# Altium PCB BLDC_v3.PcbDoc (part 1 of 2) (continued)
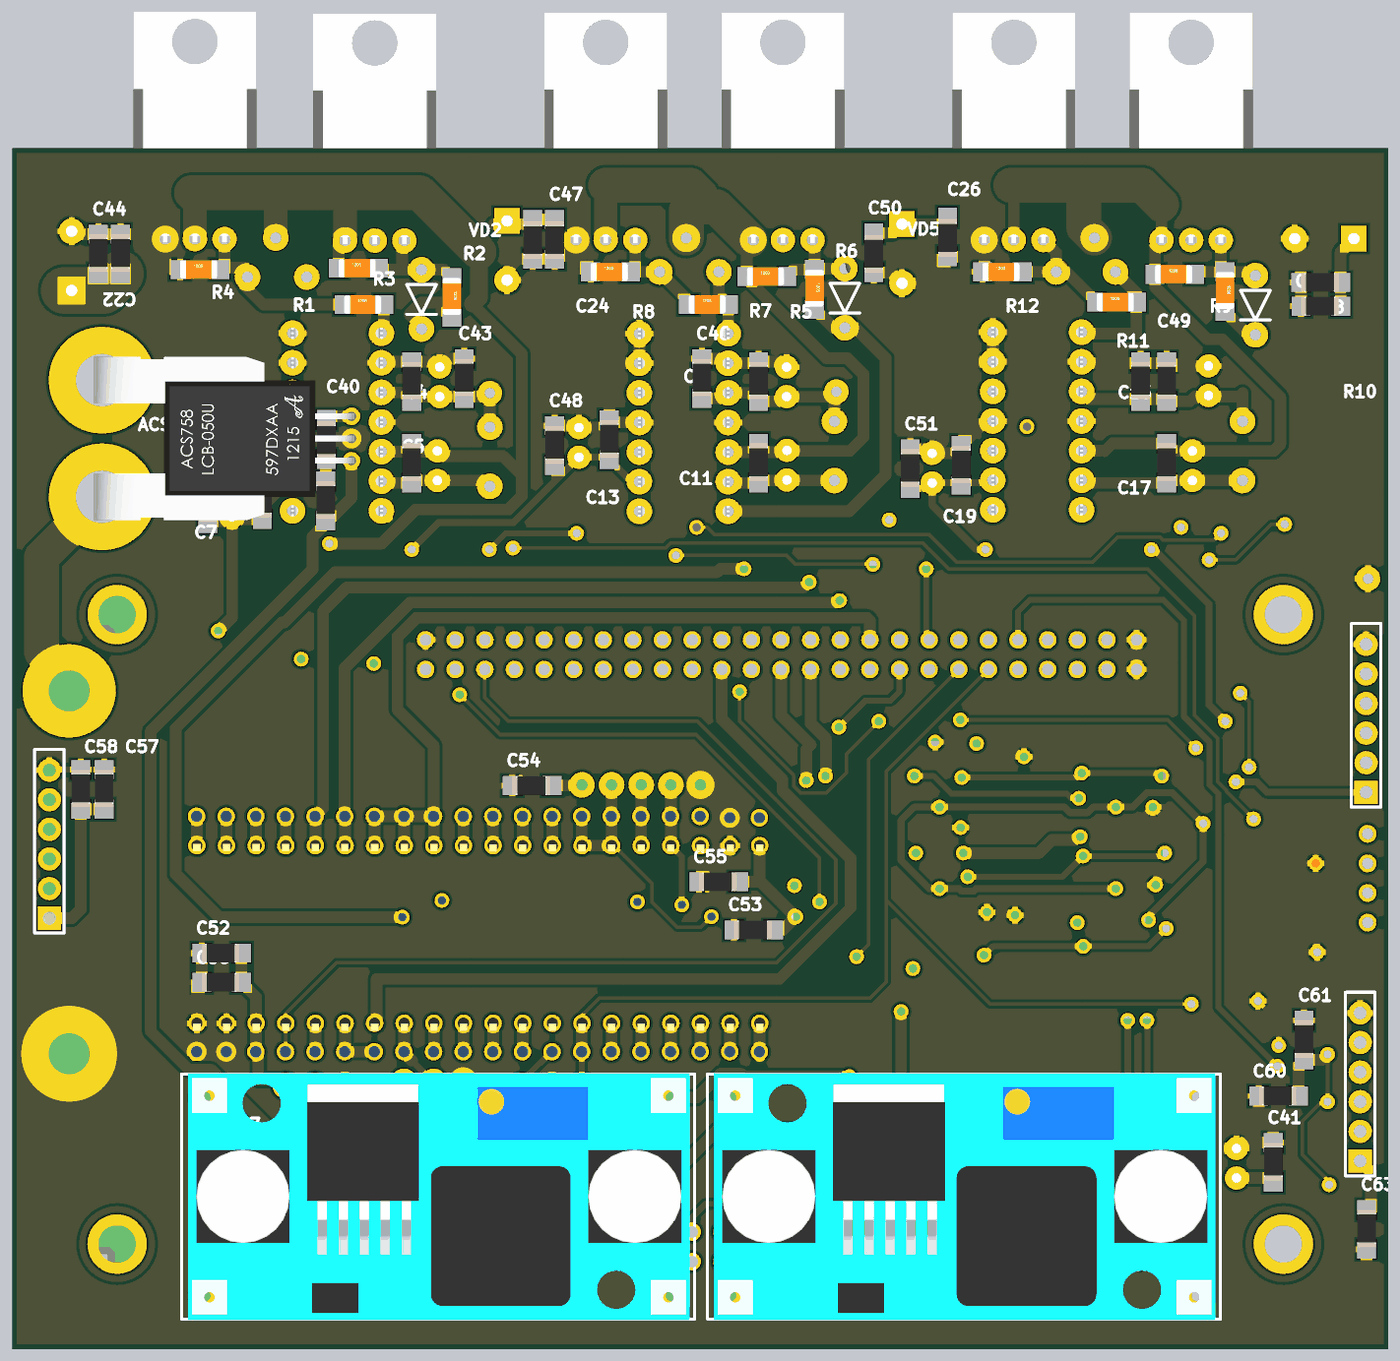
[diagram p6: 3D render of the assembled board from below, using the file's embedded part models]

## Layer stack, top to bottom
Top Solder: solder mask 0.0102, Solder Resist, Dk 3.5
Component Side: signal copper 0.0356
Dielectric 1: core 0.32, FR-4, Dk 4.8
Signal Layer 1: signal copper 0.036
Dielectric 3: prepreg 0.127, Dk 4.2
Signal Layer 2: signal copper 0.036
Dielectric 4: core 0.254, Dk 4.2
Solder Side: signal copper 0.0356
Bottom Solder: solder mask 0.0102, Solder Resist, Dk 3.5

## Board outline
80.137,66.421 198.137,66.421 198.137,169.421 80.137,169.421

## Design rules (kind name [scope] priority, off if disabled: settings)
Clearance [All] p1: gap=0.254 except(0.3: Arc-Arc Arc-Track Arc-THPad Arc-Via Track-Track Track-THPad Track-Via THPad-THPad THPad-Via Via-Via)
ComponentClearance [All] p1: gap=0.127 collisioncheckmode=3 verticalgap=0.127 showdistances=FALSE
Height [All] p1 off: minheight=0 maxheight=25.4 prefheight=12.7
HoleSize [All] p1: absolutevalues=TRUE maxlimit=10 minlimit=0.025 maxpercent=80.000 minpercent=20.000
MinimumSolderMaskSliver [All] p1 off: minsoldermaskwidth=0.254
PlaneClearance [All] p1: clearance=0.254
PlaneConnect [All] p1: planeconnectstyle=Relief reliefexpansion=0.508 reliefentries=4 reliefconductorwidth=0.3 reliefairgap=0.254
PolygonConnect PolygonConnect_2 [IsPad and (Not HasFootprint('IRLZ44N')) and (Not HasFootprint('IRLZ44N')) and (not HasFootprint('XP_WIDE')) and (not HasFootprint('ACS_SENSOR')) vs IsPolygon] p1: connectstyle=Relief reliefconductorwidth=0.5 reliefentries=4 polygonreliefangle="90 Angle" airgapwidth=0.254
PolygonConnect PolygonConnect_1 [(Not HasFootprint('IRLZ44N')) and (not HasFootprint('XP_WIDE')) and (not HasFootprint('ACS_SENSOR')) vs IsPolygon] p2: connectstyle=Relief reliefconductorwidth=0.5 reliefentries=4 polygonreliefangle="90 Angle" airgapwidth=0.254
PolygonConnect [HasFootprint('IRLZ44N') or HasFootprint('ACS_SENSOR') or HasFootprint('XP_WIDE') vs IsPolygon] p3: connectstyle=Direct reliefconductorwidth=0.254 reliefentries=4 polygonreliefangle="90 Angle" airgapwidth=0.254
PolygonConnect PolygonConnect_12 [IsPolygon And InNet('GND') And OnLayer('Bottom Layer, Bottom') vs IsVia] p4 off: connectstyle=Direct reliefconductorwidth=0.381 reliefentries=4 polygonreliefangle="90 Angle" airgapwidth=0.254
PolygonConnect PolygonConnect_10 [IsPolygon And InNet('+36V') And OnLayer('Bottom Layer, Bottom') vs IsVia] p5 off: connectstyle=Direct reliefconductorwidth=0.381 reliefentries=4 polygonreliefangle="90 Angle" airgapwidth=0.254
PolygonConnect PolygonConnect_7 [IsPolygon And InNet('PHASE_A') And OnLayer('Bottom Layer, Bottom') vs IsPad] p6 off: connectstyle=Direct reliefconductorwidth=0.381 reliefentries=4 polygonreliefangle="90 Angle" airgapwidth=0.254
PolygonConnect PolygonConnect_6 [IsPolygon And InNet('PHASE_B') And OnLayer('Bottom Layer, Bottom') vs IsVia] p7 off: connectstyle=Direct reliefconductorwidth=0.381 reliefentries=4 polygonreliefangle="90 Angle" airgapwidth=0.254
PolygonConnect PolygonConnect_4 [IsPolygon And InNet('+12V') And OnLayer('Bottom Layer, Bottom') vs IsVia] p8 off: connectstyle=Direct reliefconductorwidth=0.381 reliefentries=4 polygonreliefangle="90 Angle" airgapwidth=0.254
PolygonConnect PolygonConnect_3 [IsPolygon And InNet('+12V') And OnLayer('Bottom Layer, Bottom') vs IsPad] p9 off: connectstyle=Direct reliefconductorwidth=0.381 reliefentries=4 polygonreliefangle="90 Angle" airgapwidth=0.254
RoutingVias [All] p1: holewidth=0.711 width=1.27 viastyle="Through Hole" minholewidth=0.711 minwidth=1.27 maxholewidth=7.112 maxwidth=12.7
SilkToSilkClearance [All] p1 off: silktosilkclearance=0.254
SilkToSolderMaskClearance [IsPad] p1 off: minsilkscreentomaskgap=0.254 clearancetoexposedcopper=TRUE
SolderMaskExpansion [All] p1: expansion=0.102
Width [All] p1: maxlimit=12.7 minlimit=0.254 preferedwidth=0.254 minimp=50.000000 maximp=50.000000 favimp=50.000000
22 further rules are at their usual default settings.

## Classes and differential pairs
component class BLDC_v3_p2: C3 C4 C5 C6 C7 C8 C9 C10 C11 C12 C13 C14 C15 C16 C17 C18 C19 C20 C21 C22 C23 C24 C25 C26 C43 C44 C45 C46 C47 C48 C49 C50 C51 DD4 DD5 DD6 R1 R2 R3 R4 R5 R6 R7 R8 R9 R10 R11 R12 VD2 VD3 VD5 VD6 VD8 VD9 VD10 VD11 VD12 VT1 VT2 VT3 VT4 VT5 VT6
component class BLDC_v3: ACS758 C1 C2 C27 C28 C29 C30 C31 C32 C33 C34 C35 C36 C37 C38 C39 C40 C41 C42 C52 C53 C54 C55 C56 C57 C58 C59 C60 C61 C62 C63 DD1 DD2 DD3 DD7 DD8 DD9 DD10 DD11 DD12 DD13 DD14 DD15 R13 R14 R15 R16 R17 R18 R19 R20 R21 R22 R23 R24 R25 R26 R27 R28 R29 R30 R31 R32 R33 R34 R35 R36 R37 R38 R39 R40 R41 R42 R43 R44 R45 R46 R47 R48 R49 R50 R51 R52 R53 R54 R55 R56 R57 R58 R59 R60 R61 R62 VD1 VD4 VD7 VD13 VD14 VD15 VD16 VD17 VD18 VD19 VD20 VD21 VD22 XP1 XP2 XP3 XP4 XP5 XP6 XP7 XP8 XP9 XP10 XP11 XP12 XP13 XP14 XP15 XP16 XP17 XP18 XP19 XP21 XP22 XP23 XP24 XP25 XP26 XP27 XP28 XP29 XP30 XP31 XP32 XP33 XP34 XP35 XP36 XP37 XP38 XP39 XP40 XP41 XP42 XP43 XP44 XP45 XP46 XP47 XP48 XP49 XP50 XP51 XP52 XP53 XP54 XP55 XP56 XP57 XP58 XP59 XP60 XT1 XT2 XT3 XT4

## Components (designator, comment, footprint, x,y, rotation, side; value= is the part's Value field where it differs from the comment)
ACS758 "ACS758" ACS_SENSOR 169.037,144.526 r90 bottom
C1 "C_1206" RC1206 87.637,157.921 r180 bottom
C2 "C100_V_WIDE" C100_WIDE 83.087,161.671 r0 top
C3 "C10_V" C10_V 161.476,148.121 r90 top
C4 "C_1206" RC1206 163.876,151.121 r270 bottom
C5 "C_1206" RC1206 163.876,144.121 r270 bottom
C6 "C10_V" C10_V 161.676,140.921 r90 top
C7 "C_1206" RC1206 176.676,141 r270 bottom
C8 "C10_V" C10_V 179.276,137.8 r90 top
C9 "C_1206" RC1206 134.137,151.121 r270 bottom
C10 "C10_V" C10_V 131.737,148.121 r90 top
C11 "C_1206" RC1206 134.137,144.121 r270 bottom
C12 "C10_V" C10_V 131.699,140.97 r90 top
C13 "C_1206" RC1206 146.937,146.121 r270 bottom
C14 "C10_V" C10_V 149.537,142.921 r90 top
C15 "C_1206" RC1206 99.137,151.121 r270 bottom
C16 "C10_V" C10_V 95.556,148.212 r90 top
C17 "C_1206" RC1206 99.137,144.121 r270 bottom
C18 "C10_V" C10_V 96.937,140.921 r90 top
C19 "C_1206" RC1206 116.763,143.921 r270 bottom
C20 "C10_V" C10_V 119.253,140.716 r90 top
C21 "C100_V_WIDE" C100_WIDE 193.04,157.226 r90 top
C22 "C_1206" RC1206 188.849,162.052 r270 bottom
C23 "C100_V_WIDE" C100_WIDE 155.702,163.195 r270 top
C24 "C_1206" RC1206 153.5,159.921 r90 bottom
C25 "C100_V_WIDE" C100_WIDE 121.837,162.921 r270 top
C26 "C_1206" RC1206 117.937,160.121 r90 bottom
C27 "C_1206" RC1206 96.393,74.422 r90 top
C28 "C_1206" RC1206 165.862,76.581 r270 top
C29 "C10_V" C10_V 93.154,81.09 r90 top
C30 "C10_V" C10_V 169.291,73.152 r0 top
C31 "C_1206" RC1206 141.123,151.125 r270 top
C32 "C_1206" RC1206 110.744,151.638 r270 top
C33 "C_1206" RC1206 182.118,132.334 r180 top
C34 "C_1206" RC1206 171.196,142.748 r90 bottom
C35 "C_1206" RC1206 146.431,133.35 r0 top
C36 "C_1206" RC1206 87.625,155.875 r180 bottom
C37 "C_1206" RC1206 179.25,80.125 r90 bottom
C38 "C_1206" RC1206 143.875,84.375 r90 bottom
C39 "C_1206" RC1206 171.375,86.75 r270 bottom
C40 "C_1206" RC1206 171.25,140.875 r270 bottom
C41 "C_1206" RC1206 90,84.125 r270 bottom
C42 "C_1206" RC1206 172.25,75.875 r180 bottom
C43 "C_1206" RC1206 159.375,151.375 r270 bottom
C44 "C_1206" RC1206 190.75,162.052 r270 bottom
C45 "C_1206" RC1206 181.375,140.625 r270 bottom
C46 "C_1206" RC1206 139,151.375 r270 bottom
C47 "C_1206" RC1206 151.625,159.921 r90 bottom
C48 "C_1206" RC1206 151.625,145.625 r270 bottom
C49 "C_1206" RC1206 101.375,151.125 r270 bottom
C50 "C_1206" RC1206 124.25,158.75 r90 bottom
C51 "C_1206" RC1206 121.125,143.625 r270 bottom
C52 "C_1206" RC1206 181.875,100.375 r180 bottom
C53 "C_1206" RC1206 136.25,102.375 r180 bottom
C54 "C_1206" RC1206 155.25,114.75 r180 bottom
C55 "C_1206" RC1206 139.25,106.5 r180 bottom
C56 "C_1206" RC1206 181.875,97.875 r180 bottom
C57 "C_1206" RC1206 190.25,116.125 r270 bottom
C58 "C_1206" RC1206 192.25,116.125 r270 bottom
C59 "C_1206" RC1206 181.625,80.125 r90 bottom
C60 "C_1206" RC1206 91.25,88.125 r180 bottom
C61 "C_1206" RC1206 87.375,94.625 r270 bottom
C62 "C_1206" RC1206 146,84.375 r90 bottom
C63 "C_1206" RC1206 82,78.375 r270 bottom
DD1 "LM2596_WIDE" LM2596_WIDE 136.525,70.993 r180 bottom
DD2 "LM2596_WIDE" LM2596_WIDE 181.61,70.993 r180 bottom
DD3 "STM32F103_WIDE" STM32F103_BOARD_WIDE 134.037,94.364 r0 top
DD4 "IR2112_WIDE" DIP14_WIDE_HOLES 166.476,153.561 r0 top
DD5 "IR2112_WIDE" DIP14_WIDE_HOLES 136.737,153.521 r0 top
DD6 "IR2112_WIDE" DIP14_WIDE_HOLES 106.436,153.648 r0 top
DD7 "STM32F4Disco" STM32F407-Disco 162.687,127.254 r270 top
DD8 "HCPL0600" HCPL0600 88.392,86.868 r90 top
DD9 "HCPL0600" HCPL0600 88.392,92.583 r90 top
DD10 "HCPL0600" HCPL0600 105.156,113.919 r90 top
DD11 "HCPL0600" HCPL0600 105.156,106.934 r90 top
DD12 "HCPL0600" HCPL0600 105.156,99.822 r90 top
DD13 "HCPL0600" HCPL0600 119.126,99.568 r90 top
DD14 "HCPL0600" HCPL0600 119.126,106.68 r90 top
DD15 "HCPL0600" HCPL0600 119.126,113.792 r90 top
R1 "R_1206" CC1206 166.751,159.131 r0 bottom
R2 "R_1206" CC1206 160.437,154.921 r90 bottom
R3 "R_1206" CC1206 166.276,156.021 r0 bottom
R4 "R_1206" CC1206 180.337,159.021 r0 bottom
R5 "R_1206" CC1206 131.737,158.421 r0 bottom
R6 "R_1206" CC1206 129.337,155.621 r90 bottom
R7 "R_1206" CC1206 136.737,156.021 r0 bottom
R8 "R_1206" CC1206 145.137,158.821 r0 bottom
R9 "R_1206" CC1206 96.737,158.621 r0 bottom
R10 "R_1206" CC1206 94.137,155.421 r90 bottom
R11 "R_1206" CC1206 101.737,156.221 r0 bottom
R12 "R_1206" CC1206 111.537,158.821 r0 bottom
R13 "R_1206" CC1206 192.405,106.045 r180 top
R14 "R_1206" CC1206 192.405,108.458 r180 top
R15 "R_1206" CC1206 192.405,110.998 r180 top
R16 "R_1206" CC1206 192.405,113.411 r180 top
R17 "R_1206" CC1206 85.725,115.57 r0 top
R18 "R_1206" CC1206 85.725,117.729 r0 top
R19 "R_1206" CC1206 85.725,119.888 r0 top
R20 "R_1206" CC1206 85.725,122.047 r0 top
R21 "R_1206" CC1206 160.909,71.374 r0 top
R22 "R_1206" CC1206 84.709,110.744 r0 top
R23 "R_1206" CC1206 84.582,108.077 r0 top
R24 "R_1206" CC1206 84.582,105.537 r0 top
R25 "R_1206" CC1206 84.582,102.87 r0 top
R26 "4.7k" SMT0603/VISHAY 86.36,88.392 r90 top
R27 "Перемычка" SMT0603/VISHAY 85.471,90.043 r0 top
R28 "R_1206" CC1206 82.423,79.629 r270 top
R29 "R_1206" CC1206 85.979,82.296 r0 top
R30 "10k" SMT0603/VISHAY 86.106,93.853 r90 top
R31 "10k" SMT0603/VISHAY 88.392,98.933 r180 top
R32 "R_1206" CC1206 85.979,84.201 r0 top
R33 "220" SMT0603/VISHAY 88.773,85.979 r0 top
R34 "220" SMT0603/VISHAY 95.377,95.25 r270 top
R35 "R_1206" CC1206 173.482,134.62 r0 top
R36 "R_1206" CC1206 138.938,142.469 r90 top
R37 "R_1206" CC1206 108.966,142.875 r90 top
R38 "4.7k" SMT0603/VISHAY 101.727,117.094 r0 top
R39 "4.7k" SMT0603/VISHAY 101.727,109.982 r0 top
R40 "4.7k" SMT0603/VISHAY 102.108,102.997 r0 top
R41 "Перемычка" SMT0603/VISHAY 108.077,113.284 r180 top
R42 "Перемычка" SMT0603/VISHAY 107.188,105.918 r180 top
R43 "Перемычка" SMT0603/VISHAY 107.188,99.06 r180 top
R44 "10k" SMT0603/VISHAY 101.727,114.681 r180 top
R45 "10k" SMT0603/VISHAY 101.727,118.491 r0 top
R46 "10k" SMT0603/VISHAY 101.727,107.442 r180 top
R47 "10k" SMT0603/VISHAY 101.727,111.252 r0 top
R48 "10k" SMT0603/VISHAY 101.6,100.584 r180 top
R49 "10k" SMT0603/VISHAY 101.6,104.902 r0 top
R50 "220" SMT0603/VISHAY 112.141,115.824 r180 top
R51 "220" SMT0603/VISHAY 112.268,108.839 r180 top
R52 "220" SMT0603/VISHAY 112.395,101.727 r180 top
R53 "R_1206" CC1206 178.689,134.62 r0 top
R54 "R_1206" CC1206 139.141,147.726 r90 top
R55 "R_1206" CC1206 108.966,148.209 r90 top
R56 "220" SMT0603/VISHAY 126.111,101.473 r180 top
R57 "220" SMT0603/VISHAY 126.111,108.585 r180 top
R58 "220" SMT0603/VISHAY 126.111,115.697 r180 top
R59 "R_1206" CC1206 155.956,133.35 r180 top
R60 "R_1206" CC1206 149.86,131.318 r180 top
R61 "4.7k" SMT0603/VISHAY 100,86.5 r0 top
R62 "4.7k" SMT0603/VISHAY 100,88 r0 top
VD1 "SMLVT3V3" "DO214AA SMB" 187.833,100.457 r90 top
VD2 "DIODE_LIE_WIDE" DIODE_V_WIDE_HOLES 163.037,153.921 r90 bottom
VD3 "DIODE_LIE_WIDE" DIODE_V_WIDE_HOLES 172.875,158.375 r0 top
VD4 "SMLVT3V3" "DO214AA SMB" 183.007,100.457 r90 top
VD5 "DIODE_LIE_WIDE" DIODE_V_WIDE_HOLES 126.737,154.021 r90 bottom
VD6 "DIODE_LIE_WIDE" DIODE_V_WIDE_HOLES 137.537,158.821 r0 top
VD7 "SMLVT3V3" "DO214AA SMB" 178.181,100.457 r90 top
VD8 "DIODE_LIE_WIDE" DIODE_V_WIDE_HOLES 91.537,153.421 r90 bottom
VD9 "DIODE_LIE_WIDE" DIODE_V_WIDE_HOLES 103.537,158.821 r0 top
VD10 "DIODE_LIE_WIDE" DIODE_V_WIDE_HOLES 157.176,140.421 r90 top
VD11 "DIODE_LIE_WIDE" DIODE_V_WIDE_HOLES 127.637,140.921 r90 top
VD12 "DIODE_LIE_WIDE" DIODE_V_WIDE_HOLES 92.637,140.921 r90 top
VD13 "SMLVT3V3" "DO214AA SMB" 173.355,100.457 r90 top
VD14 "SMBJ5.0CA-TR" "DO214AA SMB" 176.276,74.168 r90 top
VD15 "SMBJ5.0CA-TR" "DO214AA SMB" 103.251,82.296 r90 top
VD16 "SMLVT3V3" "DO214AA SMB" 91.44,107.188 r90 top
VD17 "SMLVT3V3" "DO214AA SMB" 84.582,137.414 r0 top
VD18 "SMLVT3V3" "DO214AA SMB" 95.758,107.188 r90 top
VD19 "SMLVT3V3" "DO214AA SMB" 84.709,142.494 r0 top
VD20 "SMBJ5.0CA-TR" "DO214AA SMB" 144.653,82.042 r270 top
VD21 "SMBJ5.0CA-TR" "DO214AA SMB" 139.573,82.042 r270 top
VD22 "SMBJ5.0CA-TR" "DO214AA SMB" 134.62,81.915 r270 top
VT1 "IRLZ44N" IRLZ44N 164.337,161.671 r0 top
VT2 "IRLZ44N" IRLZ44N 179.757,161.801 r0 top
VT3 "IRLZ44N" IRLZ44N 129.337,161.721 r0 top
VT4 "IRLZ44N" IRLZ44N 144.537,161.721 r0 top
VT5 "IRLZ44N" IRLZ44N 94.337,161.721 r0 top
VT6 "IRLZ44N" IRLZ44N 109.537,161.721 r0 top
XP1 "XP_1_WIDE" XP_WIDE#1 193.25,122.875 r90 top
XP2 "XP_1_WIDE" XP_WIDE#2 169.624,89.002 r270 top
XP3 "XP_1_WIDE" XP_WIDE#2 149.277,114.811 r0 top
XP4 "XP_1_WIDE" XP_WIDE#2 172.164,89.002 r270 top
XP5 "XP_1_WIDE" XP_WIDE#2 139.117,114.811 r0 top
XP6 "XP_1_WIDE" XP_WIDE#2 164.544,89.383 r270 top
XP7 "XP_1_WIDE" XP_WIDE#2 141.657,114.811 r0 top
XP8 "XP_1_WIDE" XP_WIDE#2 144.197,114.811 r0 top
XP9 "XP_1_WIDE" XP_WIDE#2 146.737,114.811 r0 top
XP10 "XP_1_WIDE" XP_WIDE#2 159.464,89.383 r270 top
XP11 "XP_1_WIDE" XP_WIDE#2 175.537,161.721 r0 top
XP12 "XP_1_WIDE" XP_WIDE#2 140.337,161.721 r0 top
XP13 "XP_1_WIDE" XP_WIDE#2 105.337,161.721 r0 top
XP14 "XP_1_WIDE" XP_WIDE#2 149.304,89.002 r90 top
XP15 "XP_1_WIDE" XP_WIDE#1 193.25,91.75 r90 top
XP16 "XP_1_WIDE" XP_WIDE#3 151.844,91.923 r0 top
XP17 "XP_1_WIDE" XP_WIDE#2 174.704,89.002 r270 top
XP18 "XP_1_WIDE" XP_WIDE#3 164.544,91.923 r0 top
XP19 "XP_1_WIDE" XP_WIDE#3 136.604,111.989 r0 top
XP21 "XP_1_WIDE" XP_WIDE#3 134.064,91.923 r0 top
XP22 "XP_1_WIDE" XP_WIDE#3 136.604,91.923 r0 top
XP23 "XP_1_WIDE" XP_WIDE#3 139.144,91.923 r0 top
XP24 "XP_1_WIDE" XP_WIDE#3 141.684,91.923 r0 top
XP25 "XP_1_WIDE" XP_WIDE#3 144.224,91.923 r0 top
XP26 "XP_1_WIDE" XP_WIDE#3 146.764,91.923 r0 top
XP27 "XP_1_WIDE" XP_WIDE#3 149.304,91.923 r0 top
XP28 "XP_1_WIDE" XP_WIDE#2 154.384,89.002 r90 top
XP29 "XP_1_WIDE" XP_WIDE#3 154.384,91.923 r0 top
XP30 "XP_1_WIDE" XP_WIDE#3 156.924,91.923 r0 top
XP31 "XP_1_WIDE" XP_WIDE#3 159.464,91.923 r0 top
XP32 "XP_1_WIDE" XP_WIDE#3 162.004,91.923 r0 top
XP33 "XP_1_WIDE" XP_WIDE#2 162.004,89.383 r270 top
XP34 "XP_1_WIDE" XP_WIDE#3 167.084,91.923 r0 top
XP35 "XP_1_WIDE" XP_WIDE#3 169.624,91.923 r0 top
XP36 "XP_1_WIDE" XP_WIDE#3 172.164,91.923 r0 top
XP37 "XP_1_WIDE" XP_WIDE#3 174.704,91.923 r0 top
XP38 "XP_1_WIDE" XP_WIDE#3 177.244,91.923 r0 top
XP39 "XP_1_WIDE" XP_WIDE#3 179.784,91.923 r0 top
XP40 "XP_1_WIDE" XP_WIDE#3 182.324,91.923 r0 top
XP41 "XP_1_WIDE" XP_WIDE#3 134.064,111.989 r0 top
XP42 "XP_1_WIDE" XP_WIDE#2 151.844,89.002 r90 top
XP43 "XP_1_WIDE" XP_WIDE#3 139.144,112.116 r0 top
XP44 "XP_1_WIDE" XP_WIDE#3 141.684,112.116 r0 top
XP45 "XP_1_WIDE" XP_WIDE#3 144.224,112.116 r0 top
XP46 "XP_1_WIDE" XP_WIDE#3 146.764,112.116 r0 top
XP47 "XP_1_WIDE" XP_WIDE#3 149.304,112.116 r0 top
XP48 "XP_1_WIDE" XP_WIDE#3 151.844,112.116 r0 top
XP49 "XP_1_WIDE" XP_WIDE#3 156.924,112.116 r0 top
XP50 "XP_1_WIDE" XP_WIDE#3 159.464,112.116 r0 top
XP51 "XP_1_WIDE" XP_WIDE#3 162.004,112.116 r0 top
XP52 "XP_1_WIDE" XP_WIDE#3 164.544,112.116 r0 top